# Allegro board LED_FIN.brd (continued)
## Placement (name value [footprint] x y rotation side) (continued)
D13220  0603_LED  [0603_SINGLE]  255.25 196 0 top
D13221  0603_LED  [0603_SINGLE]  257.25 196 0 top
D13222  0603_LED  [0603_SINGLE]  259.25 196 0 top
D13223  0603_LED  [0603_SINGLE]  261.25 196 0 top
D13224  0603_LED  [0603_SINGLE]  263.25 196 0 top
D13225  0603_LED  [0603_SINGLE]  265.25 196 0 top
D13226  0603_LED  [0603_SINGLE]  267.25 196 0 top
D13227  0603_LED  [0603_SINGLE]  269.25 196 0 top
D13228  0603_LED  [0603_SINGLE]  271.25 196 0 top
D13229  0603_LED  [0603_SINGLE]  273.25 196 0 top
D13230  0603_LED  [0603_SINGLE]  275.25 196 0 top
D13231  0603_LED  [0603_SINGLE]  217.25 194 0 top
D13232  0603_LED  [0603_SINGLE]  219.25 194 0 top
D13233  0603_LED  [0603_SINGLE]  221.25 194 0 top
D13234  0603_LED  [0603_SINGLE]  223.25 194 0 top
D13235  0603_LED  [0603_SINGLE]  225.25 194 0 top
D13236  0603_LED  [0603_SINGLE]  227.25 194 0 top
D13237  0603_LED  [0603_SINGLE]  229.25 194 0 top
D13238  0603_LED  [0603_SINGLE]  231.25 194 0 top
D13239  0603_LED  [0603_SINGLE]  233.25 194 0 top
D13240  0603_LED  [0603_SINGLE]  235.25 194 0 top
D13241  0603_LED  [0603_SINGLE]  237.25 194 0 top
D13242  0603_LED  [0603_SINGLE]  239.25 194 0 top
D13243  0603_LED  [0603_SINGLE]  241.25 194 0 top
D13244  0603_LED  [0603_SINGLE]  243.25 194 0 top
D13245  0603_LED  [0603_SINGLE]  245.25 194 0 top
D13246  0603_LED  [0603_SINGLE]  247.25 194 0 top
D13247  0603_LED  [0603_SINGLE]  249.25 194 0 top
D13248  0603_LED  [0603_SINGLE]  251.25 194 0 top
D13249  0603_LED  [0603_SINGLE]  253.25 194 0 top
D13250  0603_LED  [0603_SINGLE]  255.25 194 0 top
D13251  0603_LED  [0603_SINGLE]  257.25 194 0 top
D13252  0603_LED  [0603_SINGLE]  259.25 194 0 top
D13253  0603_LED  [0603_SINGLE]  261.25 194 0 top
D13254  0603_LED  [0603_SINGLE]  263.25 194 0 top
D13255  0603_LED  [0603_SINGLE]  265.25 194 0 top
D13256  0603_LED  [0603_SINGLE]  267.25 194 0 top
D13257  0603_LED  [0603_SINGLE]  269.25 194 0 top
D13258  0603_LED  [0603_SINGLE]  271.25 194 0 top
D13259  0603_LED  [0603_SINGLE]  273.25 194 0 top
D13260  0603_LED  [0603_SINGLE]  275.25 194 0 top
D13261  0603_LED  [0603_SINGLE]  217.25 192 0 top
D13262  0603_LED  [0603_SINGLE]  219.25 192 0 top
D13263  0603_LED  [0603_SINGLE]  221.25 192 0 top
D13264  0603_LED  [0603_SINGLE]  223.25 192 0 top
D13265  0603_LED  [0603_SINGLE]  225.25 192 0 top
D13266  0603_LED  [0603_SINGLE]  227.25 192 0 top
D13267  0603_LED  [0603_SINGLE]  229.25 192 0 top
D13268  0603_LED  [0603_SINGLE]  231.25 192 0 top
D13269  0603_LED  [0603_SINGLE]  233.25 192 0 top
D13270  0603_LED  [0603_SINGLE]  235.25 192 0 top
D13271  0603_LED  [0603_SINGLE]  237.25 192 0 top
D13272  0603_LED  [0603_SINGLE]  239.25 192 0 top
D13273  0603_LED  [0603_SINGLE]  241.25 192 0 top
D13274  0603_LED  [0603_SINGLE]  243.25 192 0 top
D13275  0603_LED  [0603_SINGLE]  245.25 192 0 top
D13276  0603_LED  [0603_SINGLE]  247.25 192 0 top
D13277  0603_LED  [0603_SINGLE]  249.25 192 0 top
D13278  0603_LED  [0603_SINGLE]  251.25 192 0 top
D13279  0603_LED  [0603_SINGLE]  253.25 192 0 top
D13280  0603_LED  [0603_SINGLE]  255.25 192 0 top
D13281  0603_LED  [0603_SINGLE]  257.25 192 0 top
D13282  0603_LED  [0603_SINGLE]  259.25 192 0 top
D13283  0603_LED  [0603_SINGLE]  261.25 192 0 top
D13284  0603_LED  [0603_SINGLE]  263.25 192 0 top
D13285  0603_LED  [0603_SINGLE]  265.25 192 0 top
D13286  0603_LED  [0603_SINGLE]  267.25 192 0 top
D13287  0603_LED  [0603_SINGLE]  269.25 192 0 top
D13288  0603_LED  [0603_SINGLE]  271.25 192 0 top
D13289  0603_LED  [0603_SINGLE]  273.25 192 0 top
D13290  0603_LED  [0603_SINGLE]  275.25 192 0 top
D13291  0603_LED  [0603_SINGLE]  217.25 190 0 top
D13292  0603_LED  [0603_SINGLE]  219.25 190 0 top
D13293  0603_LED  [0603_SINGLE]  221.25 190 0 top
D13294  0603_LED  [0603_SINGLE]  223.25 190 0 top
D13295  0603_LED  [0603_SINGLE]  225.25 190 0 top
D13296  0603_LED  [0603_SINGLE]  227.25 190 0 top
D13297  0603_LED  [0603_SINGLE]  229.25 190 0 top
D13298  0603_LED  [0603_SINGLE]  231.25 190 0 top
D13299  0603_LED  [0603_SINGLE]  233.25 190 0 top
D13300  0603_LED  [0603_SINGLE]  235.25 190 0 top
D13301  0603_LED  [0603_SINGLE]  237.25 190 0 top
D13302  0603_LED  [0603_SINGLE]  239.25 190 0 top
D13303  0603_LED  [0603_SINGLE]  241.25 190 0 top
D13304  0603_LED  [0603_SINGLE]  243.25 190 0 top
D13305  0603_LED  [0603_SINGLE]  245.25 190 0 top
D13306  0603_LED  [0603_SINGLE]  247.25 190 0 top
D13307  0603_LED  [0603_SINGLE]  249.25 190 0 top
D13308  0603_LED  [0603_SINGLE]  251.25 190 0 top
D13309  0603_LED  [0603_SINGLE]  253.25 190 0 top
D13310  0603_LED  [0603_SINGLE]  255.25 190 0 top
D13311  0603_LED  [0603_SINGLE]  257.25 190 0 top
D13312  0603_LED  [0603_SINGLE]  259.25 190 0 top
D13313  0603_LED  [0603_SINGLE]  261.25 190 0 top
D13314  0603_LED  [0603_SINGLE]  263.25 190 0 top
D13315  0603_LED  [0603_SINGLE]  265.25 190 0 top
D13316  0603_LED  [0603_SINGLE]  267.25 190 0 top
D13317  0603_LED  [0603_SINGLE]  269.25 190 0 top
D13318  0603_LED  [0603_SINGLE]  271.25 190 0 top
D13319  0603_LED  [0603_SINGLE]  273.25 190 0 top
D13320  0603_LED  [0603_SINGLE]  275.25 190 0 top
D13321  0603_LED  [0603_SINGLE]  217.25 188 0 top
D13322  0603_LED  [0603_SINGLE]  219.25 188 0 top
D13323  0603_LED  [0603_SINGLE]  221.25 188 0 top
D13324  0603_LED  [0603_SINGLE]  223.25 188 0 top
D13325  0603_LED  [0603_SINGLE]  225.25 188 0 top
D13326  0603_LED  [0603_SINGLE]  227.25 188 0 top
D13327  0603_LED  [0603_SINGLE]  229.25 188 0 top
D13328  0603_LED  [0603_SINGLE]  231.25 188 0 top
D13329  0603_LED  [0603_SINGLE]  233.25 188 0 top
D13330  0603_LED  [0603_SINGLE]  235.25 188 0 top
D13331  0603_LED  [0603_SINGLE]  237.25 188 0 top
D13332  0603_LED  [0603_SINGLE]  239.25 188 0 top
D13333  0603_LED  [0603_SINGLE]  241.25 188 0 top
D13334  0603_LED  [0603_SINGLE]  243.25 188 0 top
D13335  0603_LED  [0603_SINGLE]  245.25 188 0 top
D13336  0603_LED  [0603_SINGLE]  247.25 188 0 top
D13337  0603_LED  [0603_SINGLE]  249.25 188 0 top
D13338  0603_LED  [0603_SINGLE]  251.25 188 0 top
D13339  0603_LED  [0603_SINGLE]  253.25 188 0 top
D13340  0603_LED  [0603_SINGLE]  255.25 188 0 top
D13341  0603_LED  [0603_SINGLE]  257.25 188 0 top
D13342  0603_LED  [0603_SINGLE]  259.25 188 0 top
D13343  0603_LED  [0603_SINGLE]  261.25 188 0 top
D13344  0603_LED  [0603_SINGLE]  263.25 188 0 top
D13345  0603_LED  [0603_SINGLE]  265.25 188 0 top
D13346  0603_LED  [0603_SINGLE]  267.25 188 0 top
D13347  0603_LED  [0603_SINGLE]  269.25 188 0 top
D13348  0603_LED  [0603_SINGLE]  271.25 188 0 top
D13349  0603_LED  [0603_SINGLE]  273.25 188 0 top
D13350  0603_LED  [0603_SINGLE]  275.25 188 0 top
D13351  0603_LED  [0603_SINGLE]  217.25 186 0 top
D13352  0603_LED  [0603_SINGLE]  219.25 186 0 top
D13353  0603_LED  [0603_SINGLE]  221.25 186 0 top
D13354  0603_LED  [0603_SINGLE]  223.25 186 0 top
D13355  0603_LED  [0603_SINGLE]  225.25 186 0 top
D13356  0603_LED  [0603_SINGLE]  227.25 186 0 top
D13357  0603_LED  [0603_SINGLE]  229.25 186 0 top
D13358  0603_LED  [0603_SINGLE]  231.25 186 0 top
D13359  0603_LED  [0603_SINGLE]  233.25 186 0 top
D13360  0603_LED  [0603_SINGLE]  235.25 186 0 top
D13361  0603_LED  [0603_SINGLE]  237.25 186 0 top
D13362  0603_LED  [0603_SINGLE]  239.25 186 0 top
D13363  0603_LED  [0603_SINGLE]  241.25 186 0 top
D13364  0603_LED  [0603_SINGLE]  243.25 186 0 top
D13365  0603_LED  [0603_SINGLE]  245.25 186 0 top
D13366  0603_LED  [0603_SINGLE]  247.25 186 0 top
D13367  0603_LED  [0603_SINGLE]  249.25 186 0 top
D13368  0603_LED  [0603_SINGLE]  251.25 186 0 top
D13369  0603_LED  [0603_SINGLE]  253.25 186 0 top
D13370  0603_LED  [0603_SINGLE]  255.25 186 0 top
D13371  0603_LED  [0603_SINGLE]  257.25 186 0 top
D13372  0603_LED  [0603_SINGLE]  259.25 186 0 top
D13373  0603_LED  [0603_SINGLE]  261.25 186 0 top
D13374  0603_LED  [0603_SINGLE]  263.25 186 0 top
D13375  0603_LED  [0603_SINGLE]  265.25 186 0 top
D13376  0603_LED  [0603_SINGLE]  267.25 186 0 top
D13377  0603_LED  [0603_SINGLE]  269.25 186 0 top
D13378  0603_LED  [0603_SINGLE]  271.25 186 0 top
D13379  0603_LED  [0603_SINGLE]  273.25 186 0 top
D13380  0603_LED  [0603_SINGLE]  275.25 186 0 top
D13381  0603_LED  [0603_SINGLE]  217.25 184 0 top
D13382  0603_LED  [0603_SINGLE]  219.25 184 0 top
D13383  0603_LED  [0603_SINGLE]  221.25 184 0 top
D13384  0603_LED  [0603_SINGLE]  223.25 184 0 top
D13385  0603_LED  [0603_SINGLE]  225.25 184 0 top
D13386  0603_LED  [0603_SINGLE]  227.25 184 0 top
D13387  0603_LED  [0603_SINGLE]  229.25 184 0 top
D13388  0603_LED  [0603_SINGLE]  231.25 184 0 top
D13389  0603_LED  [0603_SINGLE]  233.25 184 0 top
D13390  0603_LED  [0603_SINGLE]  235.25 184 0 top
D13391  0603_LED  [0603_SINGLE]  237.25 184 0 top
D13392  0603_LED  [0603_SINGLE]  239.25 184 0 top
D13393  0603_LED  [0603_SINGLE]  241.25 184 0 top
D13394  0603_LED  [0603_SINGLE]  243.25 184 0 top
D13395  0603_LED  [0603_SINGLE]  245.25 184 0 top
D13396  0603_LED  [0603_SINGLE]  247.25 184 0 top
D13397  0603_LED  [0603_SINGLE]  249.25 184 0 top
D13398  0603_LED  [0603_SINGLE]  251.25 184 0 top
D13399  0603_LED  [0603_SINGLE]  253.25 184 0 top
D13400  0603_LED  [0603_SINGLE]  255.25 184 0 top
D13401  0603_LED  [0603_SINGLE]  257.25 184 0 top
D13402  0603_LED  [0603_SINGLE]  259.25 184 0 top
D13403  0603_LED  [0603_SINGLE]  261.25 184 0 top
D13404  0603_LED  [0603_SINGLE]  263.25 184 0 top
D13405  0603_LED  [0603_SINGLE]  265.25 184 0 top
D13406  0603_LED  [0603_SINGLE]  267.25 184 0 top
D13407  0603_LED  [0603_SINGLE]  269.25 184 0 top
D13408  0603_LED  [0603_SINGLE]  271.25 184 0 top
D13409  0603_LED  [0603_SINGLE]  273.25 184 0 top
D13410  0603_LED  [0603_SINGLE]  275.25 184 0 top
D13411  0603_LED  [0603_SINGLE]  217.25 182 0 top
D13412  0603_LED  [0603_SINGLE]  219.25 182 0 top
D13413  0603_LED  [0603_SINGLE]  221.25 182 0 top
D13414  0603_LED  [0603_SINGLE]  223.25 182 0 top
D13415  0603_LED  [0603_SINGLE]  225.25 182 0 top
D13416  0603_LED  [0603_SINGLE]  227.25 182 0 top
D13417  0603_LED  [0603_SINGLE]  229.25 182 0 top
D13418  0603_LED  [0603_SINGLE]  231.25 182 0 top
D13419  0603_LED  [0603_SINGLE]  233.25 182 0 top
D13420  0603_LED  [0603_SINGLE]  235.25 182 0 top
D13421  0603_LED  [0603_SINGLE]  237.25 182 0 top
D13422  0603_LED  [0603_SINGLE]  239.25 182 0 top
D13423  0603_LED  [0603_SINGLE]  241.25 182 0 top
D13424  0603_LED  [0603_SINGLE]  243.25 182 0 top
D13425  0603_LED  [0603_SINGLE]  245.25 182 0 top
D13426  0603_LED  [0603_SINGLE]  247.25 182 0 top
D13427  0603_LED  [0603_SINGLE]  249.25 182 0 top
D13428  0603_LED  [0603_SINGLE]  251.25 182 0 top
D13429  0603_LED  [0603_SINGLE]  253.25 182 0 top
D13430  0603_LED  [0603_SINGLE]  255.25 182 0 top
D13431  0603_LED  [0603_SINGLE]  257.25 182 0 top
D13432  0603_LED  [0603_SINGLE]  259.25 182 0 top
D13433  0603_LED  [0603_SINGLE]  261.25 182 0 top
D13434  0603_LED  [0603_SINGLE]  263.25 182 0 top
D13435  0603_LED  [0603_SINGLE]  265.25 182 0 top
D13436  0603_LED  [0603_SINGLE]  267.25 182 0 top
D13437  0603_LED  [0603_SINGLE]  269.25 182 0 top
D13438  0603_LED  [0603_SINGLE]  271.25 182 0 top
D13439  0603_LED  [0603_SINGLE]  273.25 182 0 top
D13440  0603_LED  [0603_SINGLE]  275.25 182 0 top
D13441  0603_LED  [0603_SINGLE]  217.25 180 0 top
D13442  0603_LED  [0603_SINGLE]  219.25 180 0 top
D13443  0603_LED  [0603_SINGLE]  221.25 180 0 top
D13444  0603_LED  [0603_SINGLE]  223.25 180 0 top
D13445  0603_LED  [0603_SINGLE]  225.25 180 0 top
D13446  0603_LED  [0603_SINGLE]  227.25 180 0 top
D13447  0603_LED  [0603_SINGLE]  229.25 180 0 top
D13448  0603_LED  [0603_SINGLE]  231.25 180 0 top
D13449  0603_LED  [0603_SINGLE]  233.25 180 0 top
D13450  0603_LED  [0603_SINGLE]  235.25 180 0 top
D13451  0603_LED  [0603_SINGLE]  237.25 180 0 top
D13452  0603_LED  [0603_SINGLE]  239.25 180 0 top
D13453  0603_LED  [0603_SINGLE]  241.25 180 0 top
D13454  0603_LED  [0603_SINGLE]  243.25 180 0 top
D13455  0603_LED  [0603_SINGLE]  245.25 180 0 top
D13456  0603_LED  [0603_SINGLE]  247.25 180 0 top
D13457  0603_LED  [0603_SINGLE]  249.25 180 0 top
D13458  0603_LED  [0603_SINGLE]  251.25 180 0 top
D13459  0603_LED  [0603_SINGLE]  253.25 180 0 top
D13460  0603_LED  [0603_SINGLE]  255.25 180 0 top
D13461  0603_LED  [0603_SINGLE]  257.25 180 0 top
D13462  0603_LED  [0603_SINGLE]  259.25 180 0 top
D13463  0603_LED  [0603_SINGLE]  261.25 180 0 top
D13464  0603_LED  [0603_SINGLE]  263.25 180 0 top
D13465  0603_LED  [0603_SINGLE]  265.25 180 0 top
D13466  0603_LED  [0603_SINGLE]  267.25 180 0 top
D13467  0603_LED  [0603_SINGLE]  269.25 180 0 top
D13468  0603_LED  [0603_SINGLE]  271.25 180 0 top
D13469  0603_LED  [0603_SINGLE]  273.25 180 0 top
D13470  0603_LED  [0603_SINGLE]  275.25 180 0 top
D13471  0603_LED  [0603_SINGLE]  217.25 178 0 top
D13472  0603_LED  [0603_SINGLE]  219.25 178 0 top
D13473  0603_LED  [0603_SINGLE]  221.25 178 0 top
D13474  0603_LED  [0603_SINGLE]  223.25 178 0 top
D13475  0603_LED  [0603_SINGLE]  225.25 178 0 top
D13476  0603_LED  [0603_SINGLE]  227.25 178 0 top
D13477  0603_LED  [0603_SINGLE]  229.25 178 0 top
D13478  0603_LED  [0603_SINGLE]  231.25 178 0 top
D13479  0603_LED  [0603_SINGLE]  233.25 178 0 top
D13480  0603_LED  [0603_SINGLE]  235.25 178 0 top
D13481  0603_LED  [0603_SINGLE]  237.25 178 0 top
D13482  0603_LED  [0603_SINGLE]  239.25 178 0 top
D13483  0603_LED  [0603_SINGLE]  241.25 178 0 top
D13484  0603_LED  [0603_SINGLE]  243.25 178 0 top
D13485  0603_LED  [0603_SINGLE]  245.25 178 0 top
D13486  0603_LED  [0603_SINGLE]  247.25 178 0 top
D13487  0603_LED  [0603_SINGLE]  249.25 178 0 top
D13488  0603_LED  [0603_SINGLE]  251.25 178 0 top
D13489  0603_LED  [0603_SINGLE]  253.25 178 0 top
D13490  0603_LED  [0603_SINGLE]  255.25 178 0 top
D13491  0603_LED  [0603_SINGLE]  257.25 178 0 top
D13492  0603_LED  [0603_SINGLE]  259.25 178 0 top
D13493  0603_LED  [0603_SINGLE]  261.25 178 0 top
D13494  0603_LED  [0603_SINGLE]  263.25 178 0 top
D13495  0603_LED  [0603_SINGLE]  265.25 178 0 top
D13496  0603_LED  [0603_SINGLE]  267.25 178 0 top
D13497  0603_LED  [0603_SINGLE]  269.25 178 0 top
D13498  0603_LED  [0603_SINGLE]  271.25 178 0 top
D13499  0603_LED  [0603_SINGLE]  273.25 178 0 top
D13500  0603_LED  [0603_SINGLE]  275.25 178 0 top
D13501  0603_LED  [0603_SINGLE]  217.25 176 0 top
D13502  0603_LED  [0603_SINGLE]  219.25 176 0 top
D13503  0603_LED  [0603_SINGLE]  221.25 176 0 top
D13504  0603_LED  [0603_SINGLE]  223.25 176 0 top
D13505  0603_LED  [0603_SINGLE]  225.25 176 0 top
D13506  0603_LED  [0603_SINGLE]  227.25 176 0 top
D13507  0603_LED  [0603_SINGLE]  229.25 176 0 top
D13508  0603_LED  [0603_SINGLE]  231.25 176 0 top
D13509  0603_LED  [0603_SINGLE]  233.25 176 0 top
D13510  0603_LED  [0603_SINGLE]  235.25 176 0 top
D13511  0603_LED  [0603_SINGLE]  237.25 176 0 top
D13512  0603_LED  [0603_SINGLE]  239.25 176 0 top
D13513  0603_LED  [0603_SINGLE]  241.25 176 0 top
D13514  0603_LED  [0603_SINGLE]  243.25 176 0 top
D13515  0603_LED  [0603_SINGLE]  245.25 176 0 top
D13516  0603_LED  [0603_SINGLE]  247.25 176 0 top
D13517  0603_LED  [0603_SINGLE]  249.25 176 0 top
D13518  0603_LED  [0603_SINGLE]  251.25 176 0 top
D13519  0603_LED  [0603_SINGLE]  253.25 176 0 top
D13520  0603_LED  [0603_SINGLE]  255.25 176 0 top
D13521  0603_LED  [0603_SINGLE]  257.25 176 0 top
D13522  0603_LED  [0603_SINGLE]  259.25 176 0 top
D13523  0603_LED  [0603_SINGLE]  261.25 176 0 top
D13524  0603_LED  [0603_SINGLE]  263.25 176 0 top
D13525  0603_LED  [0603_SINGLE]  265.25 176 0 top
D13526  0603_LED  [0603_SINGLE]  267.25 176 0 top
D13527  0603_LED  [0603_SINGLE]  269.25 176 0 top
D13528  0603_LED  [0603_SINGLE]  271.25 176 0 top
D13529  0603_LED  [0603_SINGLE]  273.25 176 0 top
D13530  0603_LED  [0603_SINGLE]  275.25 176 0 top
D13531  0603_LED  [0603_SINGLE]  217.25 174 0 top
D13532  0603_LED  [0603_SINGLE]  219.25 174 0 top
D13533  0603_LED  [0603_SINGLE]  221.25 174 0 top
D13534  0603_LED  [0603_SINGLE]  223.25 174 0 top
D13535  0603_LED  [0603_SINGLE]  225.25 174 0 top
D13536  0603_LED  [0603_SINGLE]  227.25 174 0 top
D13537  0603_LED  [0603_SINGLE]  229.25 174 0 top
D13538  0603_LED  [0603_SINGLE]  231.25 174 0 top
D13539  0603_LED  [0603_SINGLE]  233.25 174 0 top
D13540  0603_LED  [0603_SINGLE]  235.25 174 0 top
D13541  0603_LED  [0603_SINGLE]  237.25 174 0 top
D13542  0603_LED  [0603_SINGLE]  239.25 174 0 top
D13543  0603_LED  [0603_SINGLE]  241.25 174 0 top
D13544  0603_LED  [0603_SINGLE]  243.25 174 0 top
D13545  0603_LED  [0603_SINGLE]  245.25 174 0 top
D13546  0603_LED  [0603_SINGLE]  247.25 174 0 top
D13547  0603_LED  [0603_SINGLE]  249.25 174 0 top
D13548  0603_LED  [0603_SINGLE]  251.25 174 0 top
D13549  0603_LED  [0603_SINGLE]  253.25 174 0 top
D13550  0603_LED  [0603_SINGLE]  255.25 174 0 top
D13551  0603_LED  [0603_SINGLE]  257.25 174 0 top
D13552  0603_LED  [0603_SINGLE]  259.25 174 0 top
D13553  0603_LED  [0603_SINGLE]  261.25 174 0 top
D13554  0603_LED  [0603_SINGLE]  263.25 174 0 top
D13555  0603_LED  [0603_SINGLE]  265.25 174 0 top
D13556  0603_LED  [0603_SINGLE]  267.25 174 0 top
D13557  0603_LED  [0603_SINGLE]  269.25 174 0 top
D13558  0603_LED  [0603_SINGLE]  271.25 174 0 top
D13559  0603_LED  [0603_SINGLE]  273.25 174 0 top
D13560  0603_LED  [0603_SINGLE]  275.25 174 0 top
D13561  0603_LED  [0603_SINGLE]  217.25 172 0 top
D13562  0603_LED  [0603_SINGLE]  219.25 172 0 top
D13563  0603_LED  [0603_SINGLE]  221.25 172 0 top
D13564  0603_LED  [0603_SINGLE]  223.25 172 0 top
D13565  0603_LED  [0603_SINGLE]  225.25 172 0 top
D13566  0603_LED  [0603_SINGLE]  227.25 172 0 top
D13567  0603_LED  [0603_SINGLE]  229.25 172 0 top
D13568  0603_LED  [0603_SINGLE]  231.25 172 0 top
D13569  0603_LED  [0603_SINGLE]  233.25 172 0 top
D13570  0603_LED  [0603_SINGLE]  235.25 172 0 top
D13571  0603_LED  [0603_SINGLE]  237.25 172 0 top
D13572  0603_LED  [0603_SINGLE]  239.25 172 0 top
D13573  0603_LED  [0603_SINGLE]  241.25 172 0 top
D13574  0603_LED  [0603_SINGLE]  243.25 172 0 top
D13575  0603_LED  [0603_SINGLE]  245.25 172 0 top
D13576  0603_LED  [0603_SINGLE]  247.25 172 0 top
D13577  0603_LED  [0603_SINGLE]  249.25 172 0 top
D13578  0603_LED  [0603_SINGLE]  251.25 172 0 top
D13579  0603_LED  [0603_SINGLE]  253.25 172 0 top
D13580  0603_LED  [0603_SINGLE]  255.25 172 0 top
D13581  0603_LED  [0603_SINGLE]  257.25 172 0 top
D13582  0603_LED  [0603_SINGLE]  259.25 172 0 top
D13583  0603_LED  [0603_SINGLE]  261.25 172 0 top
D13584  0603_LED  [0603_SINGLE]  263.25 172 0 top
D13585  0603_LED  [0603_SINGLE]  265.25 172 0 top
D13586  0603_LED  [0603_SINGLE]  267.25 172 0 top
D13587  0603_LED  [0603_SINGLE]  269.25 172 0 top
D13588  0603_LED  [0603_SINGLE]  271.25 172 0 top
D13589  0603_LED  [0603_SINGLE]  273.25 172 0 top
D13590  0603_LED  [0603_SINGLE]  275.25 172 0 top
D13591  0603_LED  [0603_SINGLE]  217.25 170 0 top
D13592  0603_LED  [0603_SINGLE]  219.25 170 0 top
D13593  0603_LED  [0603_SINGLE]  221.25 170 0 top
D13594  0603_LED  [0603_SINGLE]  223.25 170 0 top
D13595  0603_LED  [0603_SINGLE]  225.25 170 0 top
D13596  0603_LED  [0603_SINGLE]  227.25 170 0 top
D13597  0603_LED  [0603_SINGLE]  229.25 170 0 top
D13598  0603_LED  [0603_SINGLE]  231.25 170 0 top
D13599  0603_LED  [0603_SINGLE]  233.25 170 0 top
D13600  0603_LED  [0603_SINGLE]  235.25 170 0 top
D13601  0603_LED  [0603_SINGLE]  237.25 170 0 top
D13602  0603_LED  [0603_SINGLE]  239.25 170 0 top
D13603  0603_LED  [0603_SINGLE]  241.25 170 0 top
D13604  0603_LED  [0603_SINGLE]  243.25 170 0 top
D13605  0603_LED  [0603_SINGLE]  245.25 170 0 top
D13606  0603_LED  [0603_SINGLE]  247.25 170 0 top
D13607  0603_LED  [0603_SINGLE]  249.25 170 0 top
D13608  0603_LED  [0603_SINGLE]  251.25 170 0 top
D13609  0603_LED  [0603_SINGLE]  253.25 170 0 top
D13610  0603_LED  [0603_SINGLE]  255.25 170 0 top
D13611  0603_LED  [0603_SINGLE]  257.25 170 0 top
D13612  0603_LED  [0603_SINGLE]  259.25 170 0 top
D13613  0603_LED  [0603_SINGLE]  261.25 170 0 top
D13614  0603_LED  [0603_SINGLE]  263.25 170 0 top
D13615  0603_LED  [0603_SINGLE]  265.25 170 0 top
D13616  0603_LED  [0603_SINGLE]  267.25 170 0 top
D13617  0603_LED  [0603_SINGLE]  269.25 170 0 top
D13618  0603_LED  [0603_SINGLE]  271.25 170 0 top
D13619  0603_LED  [0603_SINGLE]  273.25 170 0 top
D13620  0603_LED  [0603_SINGLE]  275.25 170 0 top
D13621  0603_LED  [0603_SINGLE]  217.25 168 0 top
D13622  0603_LED  [0603_SINGLE]  219.25 168 0 top
D13623  0603_LED  [0603_SINGLE]  221.25 168 0 top
D13624  0603_LED  [0603_SINGLE]  223.25 168 0 top
D13625  0603_LED  [0603_SINGLE]  225.25 168 0 top
D13626  0603_LED  [0603_SINGLE]  227.25 168 0 top
D13627  0603_LED  [0603_SINGLE]  229.25 168 0 top
D13628  0603_LED  [0603_SINGLE]  231.25 168 0 top
D13629  0603_LED  [0603_SINGLE]  233.25 168 0 top
D13630  0603_LED  [0603_SINGLE]  235.25 168 0 top
D13631  0603_LED  [0603_SINGLE]  237.25 168 0 top
D13632  0603_LED  [0603_SINGLE]  239.25 168 0 top
D13633  0603_LED  [0603_SINGLE]  241.25 168 0 top
D13634  0603_LED  [0603_SINGLE]  243.25 168 0 top
D13635  0603_LED  [0603_SINGLE]  245.25 168 0 top
D13636  0603_LED  [0603_SINGLE]  247.25 168 0 top
D13637  0603_LED  [0603_SINGLE]  249.25 168 0 top
D13638  0603_LED  [0603_SINGLE]  251.25 168 0 top
D13639  0603_LED  [0603_SINGLE]  253.25 168 0 top
D13640  0603_LED  [0603_SINGLE]  255.25 168 0 top
D13641  0603_LED  [0603_SINGLE]  257.25 168 0 top
D13642  0603_LED  [0603_SINGLE]  259.25 168 0 top
D13643  0603_LED  [0603_SINGLE]  261.25 168 0 top
D13644  0603_LED  [0603_SINGLE]  263.25 168 0 top
D13645  0603_LED  [0603_SINGLE]  265.25 168 0 top
D13646  0603_LED  [0603_SINGLE]  267.25 168 0 top
D13647  0603_LED  [0603_SINGLE]  269.25 168 0 top
D13648  0603_LED  [0603_SINGLE]  271.25 168 0 top
D13649  0603_LED  [0603_SINGLE]  273.25 168 0 top
D13650  0603_LED  [0603_SINGLE]  275.25 168 0 top
D13651  0603_LED  [0603_SINGLE]  217.25 166 0 top
D13652  0603_LED  [0603_SINGLE]  219.25 166 0 top
D13653  0603_LED  [0603_SINGLE]  221.25 166 0 top
D13654  0603_LED  [0603_SINGLE]  223.25 166 0 top
D13655  0603_LED  [0603_SINGLE]  225.25 166 0 top
D13656  0603_LED  [0603_SINGLE]  227.25 166 0 top
D13657  0603_LED  [0603_SINGLE]  229.25 166 0 top
D13658  0603_LED  [0603_SINGLE]  231.25 166 0 top
D13659  0603_LED  [0603_SINGLE]  233.25 166 0 top
D13660  0603_LED  [0603_SINGLE]  235.25 166 0 top
D13661  0603_LED  [0603_SINGLE]  237.25 166 0 top
D13662  0603_LED  [0603_SINGLE]  239.25 166 0 top
D13663  0603_LED  [0603_SINGLE]  241.25 166 0 top
D13664  0603_LED  [0603_SINGLE]  243.25 166 0 top
D13665  0603_LED  [0603_SINGLE]  245.25 166 0 top
D13666  0603_LED  [0603_SINGLE]  247.25 166 0 top
D13667  0603_LED  [0603_SINGLE]  249.25 166 0 top
D13668  0603_LED  [0603_SINGLE]  251.25 166 0 top
D13669  0603_LED  [0603_SINGLE]  253.25 166 0 top
D13670  0603_LED  [0603_SINGLE]  255.25 166 0 top
D13671  0603_LED  [0603_SINGLE]  257.25 166 0 top
D13672  0603_LED  [0603_SINGLE]  259.25 166 0 top
D13673  0603_LED  [0603_SINGLE]  261.25 166 0 top
D13674  0603_LED  [0603_SINGLE]  263.25 166 0 top
D13675  0603_LED  [0603_SINGLE]  265.25 166 0 top
D13676  0603_LED  [0603_SINGLE]  267.25 166 0 top
D13677  0603_LED  [0603_SINGLE]  269.25 166 0 top
D13678  0603_LED  [0603_SINGLE]  271.25 166 0 top
D13679  0603_LED  [0603_SINGLE]  273.25 166 0 top
D13680  0603_LED  [0603_SINGLE]  275.25 166 0 top